# KiCad board AsicsBoard - 16xBM1368 - 01A.kicad_pcb (continued)
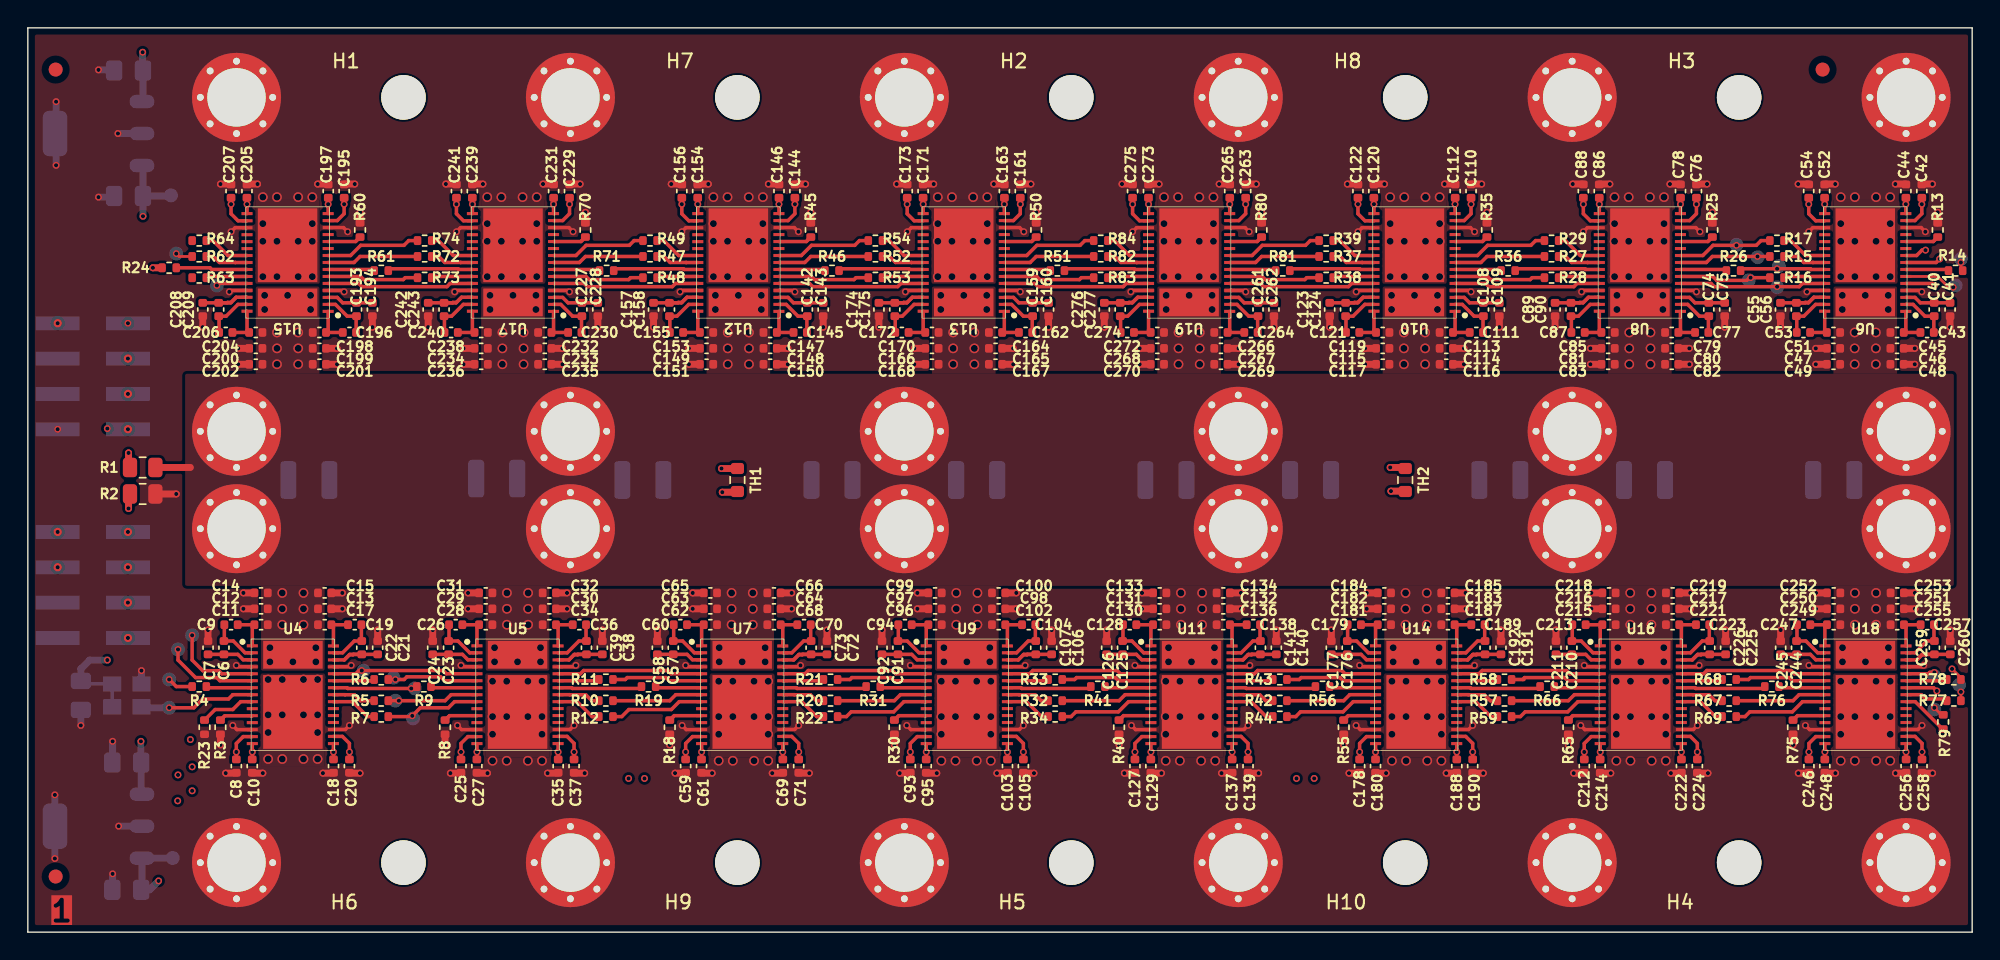
[diagram p0: board, top side]
## Routing (per net, layer and track width the routed paths; a pad name or vN(x,y) marks a point on that pad's centre or on a via; arc(x,y) is an arc through that point) (continued)
/ASICs/ASICs_BM1368_1/BM1368-0/BI: length 4
  Top w0.25: U4.9 15.3,16.57 14.73,16 13.46,16 R23.2
/ASICs/ASICs_BM1368_1/BM1368-7/BO: length 37.7
  Top w0.2: 137.54,15.62 v1(137.03,16.13)
  Top w0.25: v1(136.4,49.02) 136.14,49.02 135.76,48.64 134.98,48.64
  In3.Cu w0.2: v1(137.03,16.13) 135.72,17.44 135.72,21.04 138.5,23.82 138.5,39.43 137.61,40.31 137.61,46.92 136.4,48.13 v1(136.4,49.02)
/ASICs/ASICs_BM1368_1/BM1368-7/CLKO: length 35.6
  Top w0.2: v1(138.94,17.27) 138.94,17.27 R77.2
  Top w0.25: v1(137.41,48.39) 137.16,48.13 U6.8
  In2.Cu w0.2: v1(138.94,17.27) 139.35,17.68 139.35,46.96 138.73,47.58 138.71,47.58 137.91,48.39 v1(137.41,48.39)
/ASICs/ASICs_BM1368_1/BM1368-7/CO: length 33.2
  Top w0.2: 138.94,18.29 v1(138.3,18.92) ; v1(138.39,46.36) 138.05,46.36 137.28,47.13 U6.6
  In2.Cu w0.2: v1(138.3,18.92) 138.3,19.05 137.55,19.8 137.55,22.62 138.94,24 138.94,45.81 v1(138.39,46.36)
/ASICs/ASICs_BM1368_1/BM1368-7/RI: length 34.3
  Top w0.2: v1(138.94,48.13) 138.94,47.68
  Top w0.25: U18.24 136.98,17.57 v1(137.21,17.34)
  In3.Cu w0.2: v1(137.21,17.34) 137.67,17.8 137.67,19.81 138.94,21.08 v1(138.94,48.13)
/ASICs/ASICs_BM1368_1/BM1368-7/RSTO_n: length 33.2
  Top w0.25: v1(137.03,18.67) 136.69,18.67 136.6,18.58 U18.26 ; U6.5 136.89,46.63 v1(137.03,46.48)
  In2.Cu w0.2: v1(137.03,46.48) 137.54,45.97 137.54,42.04 138.5,41.08 138.5,24.2 137.03,22.73 v1(137.03,18.67)
/ASICs/ASICs_BM1368_1/BO1: length 6.8
  Top w0.25: U5.9 30.67,16.57 30.23,16.13 28.21,16.13 v1(27.63,15.55) 27.58,15.49 R7.2
/ASICs/ASICs_BM1368_1/BO2: length 6.8
  Top w0.25: U7.9 46.82,16.57 46.25,16 43.2,16 42.69,15.49 R12.2
/ASICs/ASICs_BM1368_1/BO3: length 6.8
  Top w0.25: R22.2 58.84,15.49 59.18,15.84 62.24,15.84 62.97,16.57 U9.9
/ASICs/ASICs_BM1368_1/BO4: length 6.8
  Top w0.25: U11.9 79.11,16.57 78.38,15.84 75.33,15.84 74.98,15.49 R34.2
/ASICs/ASICs_BM1368_1/BO5: length 6.8
  Top w0.25: U14.9 95.26,16.57 94.53,15.84 91.47,15.84 91.13,15.49 R44.2
/ASICs/ASICs_BM1368_1/BO6: length 6.8
  Top w0.25: R59.2 107.28,15.49 107.62,15.84 110.68,15.84 111.41,16.57 U16.9
/ASICs/ASICs_BM1368_1/BO7: length 6.8
  Top w0.25: R69.2 123.43,15.49 123.77,15.84 126.82,15.84 127.56,16.57 U18.9
/ASICs/ASICs_BM1368_1/CLKO1: length 6.6
  Top w0.25: U5.8 30.42,17.07 29.99,16.64 v1(26.67,16.64) R5.2
/ASICs/ASICs_BM1368_1/CLKO2: length 6.6
  Top w0.25: U7.8 46.57,17.07 46.14,16.64 R10.2
/ASICs/ASICs_BM1368_1/CLKO3: length 6.6
  Top w0.25: U9.8 62.72,17.07 62.28,16.64 R20.2
/ASICs/ASICs_BM1368_1/CLKO4: length 6.6
  Top w0.25: R32.2 78.43,16.64 78.86,17.07 U11.8
/ASICs/ASICs_BM1368_1/CLKO5: length 6.6
  Top w0.25: R42.2 94.58,16.64 95.01,17.07 U14.8
/ASICs/ASICs_BM1368_1/CLKO6: length 6.6
  Top w0.25: R57.2 110.73,16.64 111.16,17.07 U16.8
/ASICs/ASICs_BM1368_1/CLKO7: length 6.6
  Top w0.25: R67.2 126.87,16.64 127.31,17.07 U18.8
/ASICs/ASICs_BM1368_1/CO1: length 6.6
  Top w0.25: 32.28,18.07 29.95,18.07 29.67,18.36 27.25,18.36 27.05,18.16 v1(26.42,18.16) R6.2
/ASICs/ASICs_BM1368_1/CO2: length 6.5
  Top w0.25: R11.2 42.94,18.16 43.08,18.3 45.87,18.3 46.1,18.07 48.43,18.07
/ASICs/ASICs_BM1368_1/CO3: length 6.5
  Top w0.25: R21.2 59.09,18.16 59.23,18.3 62.02,18.3 62.25,18.07 64.58,18.07
/ASICs/ASICs_BM1368_1/CO4: length 6.5
  Top w0.25: R33.2 75.24,18.16 75.38,18.3 78.17,18.3 78.39,18.07 80.72,18.07
/ASICs/ASICs_BM1368_1/CO5: length 6.5
  Top w0.25: 96.87,18.07 94.54,18.07 94.31,18.3 91.52,18.3 91.39,18.16 R43.2
/ASICs/ASICs_BM1368_1/CO6: length 6.6
  Top w0.25: R58.2 107.53,18.16 ; 107.44,18.16 107.58,18.3 110.46,18.3 110.69,18.07 113.02,18.07
/ASICs/ASICs_BM1368_1/CO7: length 6.5
  Top w0.25: R68.2 123.68,18.16 123.82,18.3 126.61,18.3 126.83,18.07 129.16,18.07
/ASICs/ASICs_BM1368_1/RI1: length 5.9
  Top w0.25: U4.24 22.94,17.57 23,17.52 v1(27.56,17.52) 27.82,17.52
/ASICs/ASICs_BM1368_1/RI02: length 5.9
  Top w0.25: 43.97,17.52 39.14,17.52 39.09,17.57 U5.24
/ASICs/ASICs_BM1368_1/RI3: length 5.9
  Top w0.25: 60.12,17.52 55.29,17.52 55.24,17.57 U7.24
/ASICs/ASICs_BM1368_1/RI4: length 5.9
  Top w0.25: U9.24 71.38,17.57 71.44,17.52 76.26,17.52
/ASICs/ASICs_BM1368_1/RI5: length 5.9
  Top w0.25: U11.24 87.53,17.57 87.59,17.52 92.41,17.52
/ASICs/ASICs_BM1368_1/RI6: length 5.9
  Top w0.25: U14.24 103.68,17.57 103.73,17.52 108.56,17.52
/ASICs/ASICs_BM1368_1/RI7: length 5.9
  Top w0.25: U16.24 119.82,17.57 119.88,17.52 124.7,17.52
/ASICs/ASICs_BM1368_1/RSTO1: length 10.5
  Top w0.25: U4.26 23.57,18.58 23.8,18.81 v1(24,18.81) 29.85,18.81 30.09,18.58 U5.5
/ASICs/ASICs_BM1368_1/RSTO2: length 10.5
  Top w0.25: U7.5 46.23,18.58 46,18.81 39.95,18.81 39.71,18.58 U5.26
/ASICs/ASICs_BM1368_1/RSTO3: length 10.5
  Top w0.25: U7.26 55.86,18.58 56.09,18.81 62.15,18.81 62.38,18.58 U9.5
/ASICs/ASICs_BM1368_1/RSTO4: length 10.5
  Top w0.25: U9.26 72.01,18.58 72.24,18.81 78.3,18.81 78.53,18.58 U11.5
/ASICs/ASICs_BM1368_1/RSTO5: length 10.5
  Top w0.25: U11.26 88.16,18.58 88.39,18.81 94.44,18.81 94.67,18.58 U14.5
/ASICs/ASICs_BM1368_1/RSTO6: length 10.5
  Top w0.25: U14.26 104.3,18.58 104.53,18.81 110.59,18.81 110.82,18.58 U16.5
/ASICs/ASICs_BM1368_1/RSTO7: length 10.5
  Top w0.25: U16.26 120.45,18.58 120.68,18.81 126.74,18.81 126.97,18.58 U18.5
/ASICs/ASICs_BM1368_2/BM1368-7/CLKO: length 1.2
  Top w0.2: v1(10.67,48.77) 10.87,48.56 R62.2
/ASICs/ASICs_BM1368_2/BM1368-7/RI: length 5.1
  Top w0.25: U15.24 13.22,47.63 13.09,47.75 R24.2
/ASICs/ASICs_BM1368_2/BM1368-7/RSTO_n: length 2.2
  Top w0.25: v1(13.59,46.48) 13.73,46.63 U15.26
/ASICs/ASICs_BM1368_2/BO1: length 6.9
  Top w0.25: R17.2 124.57,49.71 124.23,49.36 v1(122.81,49.36) 121.12,49.36 120.39,48.64 118.78,48.64
/ASICs/ASICs_BM1368_2/BO2: length 6.9
  Top w0.25: R29.2 108.37,49.71 108.03,49.36 104.92,49.36 104.19,48.64 102.58,48.64
/ASICs/ASICs_BM1368_2/BO3: length 6.9
  Top w0.25: 86.38,48.64 87.99,48.64 88.72,49.36 91.83,49.36 92.17,49.71 R39.2
/ASICs/ASICs_BM1368_2/BO4: length 6.9
  Top w0.25: 70.18,48.64 71.79,48.64 72.52,49.36 75.63,49.36 75.98,49.71 R84.2
/ASICs/ASICs_BM1368_2/BO5: length 6.9
  Top w0.25: R54.2 59.78,49.71 59.43,49.36 56.32,49.36 55.59,48.64 53.99,48.64
/ASICs/ASICs_BM1368_2/BO6: length 6.9
  Top w0.25: R49.2 43.58,49.71 43.23,49.36 40.13,49.36 39.4,48.64 37.79,48.64
/ASICs/ASICs_BM1368_2/BO7: length 6.9
  Top w0.25: 21.59,48.64 23.2,48.64 23.93,49.36 27.03,49.36 27.38,49.71 R74.2
/ASICs/ASICs_BM1368_2/CLKO1: length 6.6
  Top w0.25: R15.2 v1(124.32,48.56) 121.07,48.56 120.64,48.13 U8.8
/ASICs/ASICs_BM1368_2/CLKO2: length 6.6
  Top w0.25: R27.2 104.87,48.56 104.44,48.13 U10.8
/ASICs/ASICs_BM1368_2/CLKO3: length 6.6
  Top w0.25: R37.2 88.68,48.56 88.24,48.13 U19.8
/ASICs/ASICs_BM1368_2/CLKO4: length 6.6
  Top w0.25: U13.8 72.04,48.13 72.48,48.56 R82.2
/ASICs/ASICs_BM1368_2/CLKO5: length 6.6
  Top w0.25: R52.2 56.28,48.56 55.84,48.13 U12.8
/ASICs/ASICs_BM1368_2/CLKO6: length 6.6
  Top w0.25: U17.8 39.65,48.13 40.08,48.56 R47.2
/ASICs/ASICs_BM1368_2/CLKO7: length 6.6
  Top w0.25: R72.2 23.88,48.56 23.45,48.13 U15.8
/ASICs/ASICs_BM1368_2/CO1: length 6.6
  Top w0.25: 125.21,47.04 v1(123.82,47.04) 123.75,47.04 123.55,46.85 121.4,46.85 121.11,47.13 U8.6
/ASICs/ASICs_BM1368_2/CO2: length 6.6
  Top w0.25: 109.01,47.04 108.12,47.04 107.98,46.9 105.14,46.9 104.91,47.13 U10.6
/ASICs/ASICs_BM1368_2/CO3: length 6.6
  Top w0.25: 92.81,47.04 91.92,47.04 91.78,46.9 88.94,46.9 88.71,47.13 U19.6
/ASICs/ASICs_BM1368_2/CO4: length 6.6
  Top w0.25: 76.61,47.04 75.72,47.04 75.58,46.9 72.74,46.9 72.51,47.13 U13.6
/ASICs/ASICs_BM1368_2/CO5: length 6.6
  Top w0.25: 60.41,47.04 59.52,47.04 59.38,46.9 56.54,46.9 56.32,47.13 U12.6
/ASICs/ASICs_BM1368_2/CO6: length 6.6
  Top w0.25: 44.21,47.04 43.32,47.04 43.19,46.9 40.34,46.9 40.12,47.13 U17.6
/ASICs/ASICs_BM1368_2/CO7: length 6.6
  Top w0.25: U15.6 23.92,47.13 24.14,46.9 26.99,46.9 27.12,47.04 28.01,47.04
/ASICs/ASICs_BM1368_2/RI1: length 5.9
  Top w0.25: U6.24 128.17,47.63 128.12,47.69 v1(125.73,47.69) 123.24,47.69
/ASICs/ASICs_BM1368_2/RI02: length 5.9
  Top w0.25: U8.24 111.97,47.63 111.92,47.69 107.04,47.69
/ASICs/ASICs_BM1368_2/RI3: length 5.9
  Top w0.25: 90.84,47.69 95.72,47.69 95.78,47.63 U10.24
/ASICs/ASICs_BM1368_2/RI4: length 5.9
  Top w0.25: 74.64,47.69 79.52,47.69 79.58,47.63 U19.24
/ASICs/ASICs_BM1368_2/RI5: length 5.9
  Top w0.25: U13.24 63.38,47.63 63.32,47.69 58.45,47.69
/ASICs/ASICs_BM1368_2/RI6: length 5.9
  Top w0.25: 42.25,47.69 47.12,47.69 47.18,47.63 U12.24
/ASICs/ASICs_BM1368_2/RI7: length 5.9
  Top w0.25: 26.05,47.69 30.92,47.69 30.98,47.63 U17.24
/ASICs/ASICs_BM1368_2/RSTO1: length 10.6
  Top w0.25: U6.26 127.55,46.63 127.32,46.39 v1(125.73,46.39) 125.73,46.4 121.21,46.4 120.98,46.63 U8.5
/ASICs/ASICs_BM1368_2/RSTO2: length 10.6
  Top w0.25: U8.26 111.35,46.63 111.12,46.4 105.01,46.4 104.78,46.63 U10.5
/ASICs/ASICs_BM1368_2/RSTO3: length 10.6
  Top w0.25: U19.5 88.58,46.63 88.81,46.4 94.92,46.4 95.15,46.63 U10.26
/ASICs/ASICs_BM1368_2/RSTO4: length 10.6
  Top w0.25: U13.5 72.38,46.63 72.61,46.4 78.72,46.4 78.95,46.63 U19.26
/ASICs/ASICs_BM1368_2/RSTO5: length 10.6
  Top w0.25: U13.26 62.75,46.63 62.52,46.4 56.41,46.4 56.18,46.63 U12.5
/ASICs/ASICs_BM1368_2/RSTO6: length 10.6
  Top w0.25: U17.5 39.98,46.63 40.21,46.4 46.32,46.4 46.55,46.63 U12.26
/ASICs/ASICs_BM1368_2/RSTO7: length 10.6
  Top w0.25: U15.5 23.78,46.63 24.01,46.4 30.12,46.4 30.35,46.63 U17.26
/CI: length 29.1
  Top w0.25: 16.13,18.07 13.8,18.07 13.58,18.3 12.06,18.3 10.8,19.56 v1(10.8,20.32)
  In2.Cu w0.25: v1(10.8,20.32) 9.4,21.72 9.4,39.03 v2(7.19,41.23)
/CLKI: length 8.3
  Top w0.25: v1(10.16,16.13) 11.94,16.13 12.57,16.76 14.43,16.76 14.73,17.07 U4.8
  Bottom w0.5: v1(10.16,16.13) 8.23,16.13
/CTN1: length 79.7
  Top w0.5: 51.05,31.62 v1(49.91,31.62)
  In2.Cu w0.2: v1(44.32,11.05) 43.29,10.01 42.71,10.01 13.11,10.01 13.09,10.03 13.08,10.03 11.81,11.3 v1(10.8,11.3)
  In3.Cu w0.2: v1(49.91,31.62) 44.32,26.03 v1(44.32,11.05) ; v2(7.19,23.69) 2.54,19.03 2.54,13.73 4.97,11.3 v1(10.8,11.3)
/CTN1_RTN: length 77.8
  Top w0.5: TH1.2 v1(49.86,33.33)
  In2.Cu w0.2: 11.81,11.88 13.28,10.41 42.55,10.41 v1(43.18,11.05)
  In3.Cu w0.2: v1(11.81,11.88) 4.96,11.88 2.94,13.9 2.94,17.97 6.12,21.15 v2(7.19,21.15) ; v1(43.18,11.05) 43.18,26.64 v1(49.86,33.33)
/CTN2: length 135.8
  Top w0.5: 99.11,31.7 v1(97.97,31.7)
  In2.Cu w0.2: v1(10.77,9.44) 11,9.21 90.62,9.21 v1(92.46,11.05)
  In3.Cu w0.2: v1(10.77,9.44) 4.78,9.44 1.27,12.95 1.27,22.84 v2(7.19,28.77) ; v1(92.46,11.05) 92.46,26.18 v1(97.97,31.7)
/CTN2_RTN: length 133.2
  Top w0.5: 99.06,33.4 v1(97.92,33.4)
  In2.Cu w0.2: v1(11.81,10.16) 12.36,9.61 89.75,9.61 v1(91.19,11.05)
  In3.Cu w0.2: v1(11.81,10.16) 4.63,10.16 1.67,13.12 1.67,20.7 v2(7.19,26.23) ; v1(97.92,33.4) 91.19,26.67 v1(91.19,11.05)
/RO: length 23.6
  Top w0.25: R4.2 10.67,17.65 v1(10.16,18.16)
  In2.Cu w0.25: v2(7.19,38.69) 8.38,37.5 8.38,19.94 v1(10.16,18.16)
/RSTIn: length 30.9
  Top w0.25: v1(11.81,21.34) 11.81,19.56 12.57,18.8 13.72,18.8 13.94,18.58 U4.5
  In2.Cu w0.25: v1(7.19,43.77) 9.91,41.06 9.91,23.24 v1(11.81,21.34)
/VSN: length 7.9
  Top w0.5: 7.24,31.48 v1(7.24,30.45)
  In3.Cu w0.5: v2(2.14,26.23) 6.37,30.45 v1(7.24,30.45)
/VSP: length 8.8
  Top w0.5: 7.24,33.42 v1(7.24,34.44)
  In3.Cu w0.5: v2(2.14,28.77) 7.24,33.86 v1(7.24,34.44)
VPWR_ASIC: length 2.4
  Top w0.5: 9.25,33.4 11.68,33.4
  vias: v3(17.02,45.77) v3(17.02,44.75) v3(17.4,20.45) v3(17.4,19.43) v3(17.91,43.1) v3(17.91,41.96) v3(17.91,40.82) v3(18.29,24.38) v3(18.29,23.24) v3(18.29,22.1) v3(18.67,45.77) v3(19.05,19.43) v3(19.43,43.1) v3(19.43,41.96) v3(19.43,40.82) v3(19.81,24.38) v3(19.81,23.24) v3(19.81,22.1) v3(20.32,45.77) v3(20.32,44.75) v3(20.7,20.45) v3(20.7,19.43) v3(33.22,45.77) v3(33.22,44.75) v3(33.55,20.45) v3(33.55,19.43) v3(34.11,43.1) v3(34.11,41.96) v3(34.11,40.82) v3(34.44,24.38) v3(34.44,23.24) v3(34.44,22.1) v3(34.87,45.77) v3(35.2,19.43) v3(35.63,43.1) v3(35.63,41.96) v3(35.63,40.82) v3(35.96,24.38) v3(35.96,23.24) v3(35.96,22.1) v3(36.52,45.77) v3(36.52,44.75) v3(36.85,20.45) v3(36.85,19.43) v3(49.42,45.77) v3(49.42,44.75) v3(49.69,20.45) v3(49.69,19.43) v3(50.31,43.1) v3(50.31,41.96) v3(50.31,40.82) v3(50.58,24.38) v3(50.58,23.24) v3(50.58,22.1) v3(51.07,45.77) v3(51.34,19.43) v3(51.83,43.1) v3(51.83,41.96) v3(51.83,40.82) v3(52.11,24.38) v3(52.11,23.24) v3(52.11,22.1) v3(52.72,45.77) v3(52.72,44.75) v3(53,20.45) v3(53,19.43) v3(65.62,45.77) v3(65.62,44.75) v3(65.84,20.45) v3(65.84,19.43) v3(66.51,43.1) v3(66.51,41.96) v3(66.51,40.82) v3(66.73,24.38) v3(66.73,23.24) v3(66.73,22.1) v3(67.27,45.77) v3(67.49,19.43) v3(68.03,43.1) v3(68.03,41.96) v3(68.03,40.82) v3(68.25,24.38) v3(68.25,23.24) v3(68.25,22.1) v3(68.92,45.77) v3(68.92,44.75) v3(69.14,20.45) v3(69.14,19.43) v3(81.82,45.77) v3(81.82,44.75) v3(81.99,20.45) v3(81.99,19.43) v3(82.71,43.1) v3(82.71,41.96) v3(82.71,40.82) v3(82.88,24.38) v3(82.88,23.24) v3(82.88,22.1) v3(83.47,45.77) v3(83.64,19.43) v3(84.23,43.1) v3(84.23,41.96) v3(84.23,40.82) v3(84.4,24.38) v3(84.4,23.24) v3(84.4,22.1) v3(85.12,45.77) v3(85.12,44.75) v3(85.29,20.45) v3(85.29,19.43) v3(98.02,45.77) v3(98.02,44.75) v3(98.13,20.45) v3(98.13,19.43) v3(98.91,43.1) v3(98.91,41.96) v3(98.91,40.82) v3(99.02,24.38) v3(99.02,23.24) v3(99.02,22.1) v3(99.67,45.77) v3(99.79,19.43) v3(100.43,43.1) v3(100.43,41.96) v3(100.43,40.82) v3(100.55,24.38) v3(100.55,23.24) v3(100.55,22.1) v3(101.32,45.77) v3(101.32,44.75) v3(101.44,20.45) v3(101.44,19.43) v3(114.22,45.77) v3(114.22,44.75) v3(114.28,20.45) v3(114.28,19.43) v3(115.1,43.1) v3(115.1,41.96) v3(115.1,40.82) v3(115.17,24.38) v3(115.17,23.24) v3(115.17,22.1) v3(115.87,45.77) v3(115.93,19.43) v3(116.63,43.1) v3(116.63,41.96) v3(116.63,40.82) v3(116.69,24.38) v3(116.69,23.24) v3(116.69,22.1) v3(117.52,45.77) v3(117.52,44.75) v3(117.58,20.45) v3(117.58,19.43) v3(130.42,45.77) v3(130.42,44.75) v3(130.43,20.45) v3(130.43,19.43) v3(131.3,43.1) v3(131.3,41.96) v3(131.3,40.82) v3(131.32,24.38) v3(131.32,23.24) v3(131.32,22.1) v3(132.07,45.77) v3(132.08,19.43) v3(132.83,43.1) v3(132.83,41.96) v3(132.83,40.82) v3(132.84,24.38) v3(132.84,23.24) v3(132.84,22.1) v3(133.72,45.77) v3(133.72,44.75) v3(133.73,20.45) v3(133.73,19.43)
Net-(U4-BO): length 3.4
  Top w0.25: U4.22 23.34,16.57 24.41,15.49 R7.1
Net-(U4-CLKO): length 3.1
  Top w0.25: U4.23 22.81,17.07 22.81,17.07 23.48,17.07 23.91,16.64 R5.1
Net-(U4-CO): length 2.8
  Top w0.25: 21.97,18.07 24.8,18.07
Net-(U4-LITE_PAD): length 2.8
  Top w0.25: U4.11 16.12,15.55 14.15,15.55 R3.1 ; 13.85,15.24 14.1,15.49
Net-(U4-RO): length 3.2
  Top w0.25: U4.7 12.91,17.57
Net-(U5-BO): length 3.4
  Top w0.25: R12.1 40.56,15.49 39.49,16.57 U5.22
Net-(U5-CLKO): length 3.1
  Top w0.25: U5.23 38.95,17.07 38.96,17.07 40.1,17.07 40.53,16.64 R10.1
Net-(U5-CO): length 2.8
  Top w0.25: 38.11,18.07 40.95,18.07
Net-(U5-LITE_PAD): length 2.8
  Top w0.25: U5.11 30.31,15.56 R8.1 ; 29.99,15.24 30.25,15.49
Net-(U5-RO): length 3.2
  Top w0.25: U5.7 29.06,17.57
Net-(U6-BO): length 3.4
  Top w0.25: R17.1 126.7,49.71 127.78,48.64 129.15,48.64
Net-(U6-CLKO): length 3.1
  Top w0.25: U6.23 128.31,48.13 128.31,48.14 127.64,48.14 127.21,48.56 R15.1
Net-(U6-CO): length 2.8
  Top w0.25: U6.25 126.31,47.13
Net-(U6-LITE_PAD): length 2.8
  Top w0.25: 137.27,49.96 137.02,49.71 ; U6.11 136.95,49.64 R13.1
Net-(U6-RO): length 3
  Top w0.25: U6.7 137.97,47.63
Net-(U7-BO): length 3.4
  Top w0.25: U7.22 55.63,16.57 56.71,15.49 R22.1
Net-(U7-CLKO): length 3.1
  Top w0.25: U7.23 55.1,17.07 55.1,17.07 56.25,17.07 56.68,16.64 R20.1
Net-(U7-CO): length 2.8
  Top w0.25: 54.26,18.07 57.1,18.07
Net-(U7-LITE_PAD): length 2.8
  Top w0.25: R18.1 46.46,15.56 U7.11 ; 46.14,15.24 46.39,15.49
Net-(U7-RO): length 3.2
  Top w0.25: U7.7 45.21,17.57
Net-(U8-BO): length 3.4
  Top w0.25: R29.1 110.5,49.71 111.58,48.64 112.95,48.64
Net-(U8-CLKO): length 3.1
  Top w0.25: R27.1 110.53,48.56 110.96,48.14 112.11,48.14 112.11,48.13 U8.23
Net-(U8-CO): length 2.8
  Top w0.25: U8.25 110.11,47.13
Net-(U8-LITE_PAD): length 2.8
  Top w0.25: 121.07,49.96 120.82,49.71 ; R25.1 120.75,49.64 U8.11
Net-(U8-RO): length 3.2
  Top w0.25: U8.7 122,47.63
Net-(U9-BO): length 3.4
  Top w0.25: R34.1 72.85,15.49 71.78,16.57 U9.22
Net-(U9-CLKO): length 3.1
  Top w0.25: U9.23 71.25,17.07 71.25,17.07 72.4,17.07 72.83,16.64 R32.1
Net-(U9-CO): length 2.8
  Top w0.25: 70.41,18.07 73.24,18.07
Net-(U9-LITE_PAD): length 2.8
  Top w0.25: U9.11 62.61,15.56 R30.1 ; 62.29,15.24 62.54,15.49
Net-(U9-RO): length 3.2
  Top w0.25: U9.7 61.35,17.57
Net-(U10-BO): length 3.4
  Top w0.25: R39.1 94.31,49.71 95.38,48.64 96.75,48.64
Net-(U10-CLKO): length 3.1
  Top w0.25: U10.23 95.91,48.13 95.91,48.14 94.76,48.14 94.33,48.56 R37.1
Net-(U10-CO): length 2.8
  Top w0.25: U10.25 93.92,47.13
Net-(U10-LITE_PAD): length 2.8
  Top w0.25: U10.11 104.55,49.64 R35.1 ; 104.87,49.96 104.62,49.71
Net-(U10-RO): length 3.2
  Top w0.25: U10.7 105.8,47.63
Net-(U11-BO): length 3.4
  Top w0.25: U11.22 87.93,16.57 89,15.49 R44.1
Net-(U11-CLKO): length 3.1
  Top w0.25: R42.1 88.97,16.64 88.54,17.07 87.4,17.07 87.4,17.07 U11.23
Net-(U11-CO): length 2.8
  Top w0.25: 86.55,18.07 89.39,18.07
Net-(U11-LITE_PAD): length 2.8
  Top w0.25: U11.11 78.75,15.56 R40.1 ; 78.44,15.24 78.69,15.49
Net-(U11-RO): length 3.2
  Top w0.25: U11.7 77.5,17.57
Net-(U12-BO): length 3.4
  Top w0.25: 48.15,48.64 46.78,48.64 45.71,49.71 R49.1
Net-(U12-CLKO): length 3.1
  Top w0.25: U12.23 47.31,48.13 47.31,48.14 46.16,48.14 45.74,48.56 R47.1
Net-(U12-CO): length 2.8
  Top w0.25: U12.25 45.32,47.13
Net-(U12-LITE_PAD): length 2.8
  Top w0.25: R45.1 55.96,49.64 U12.11 ; 56.27,49.96 56.02,49.71
Net-(U12-RO): length 3.2
  Top w0.25: U12.7 57.21,47.63
Net-(U13-BO): length 3.4
  Top w0.25: R54.1 61.91,49.71 62.98,48.64 64.35,48.64
Net-(U13-CLKO): length 3.1
  Top w0.25: R52.1 61.93,48.56 62.36,48.14 63.51,48.14 63.51,48.13 U13.23
Net-(U13-CO): length 2.8
  Top w0.25: U13.25 61.52,47.13
Net-(U13-LITE_PAD): length 2.8
  Top w0.25: R50.1 72.15,49.64 U13.11 ; 72.47,49.96 72.22,49.71
Net-(U13-RO): length 3.2
  Top w0.25: U13.7 73.41,47.63
Net-(U14-BO): length 3.4
  Top w0.25: R59.1 105.15,15.49 104.08,16.57 U14.22
Net-(U14-CLKO): length 3.1
  Top w0.25: R57.1 105.12,16.64 104.69,17.07 103.55,17.07 103.54,17.07 U14.23
Net-(U14-CO): length 2.8
  Top w0.25: 102.7,18.07 105.54,18.07
Net-(U14-LITE_PAD): length 2.8
  Top w0.25: U14.11 94.9,15.56 R55.1 ; 94.58,15.24 94.83,15.49
Net-(U14-RO): length 3.2
  Top w0.25: U14.7 93.65,17.57
Net-(U15-BO): length 3.4
  Top w0.25: 15.75,48.64 14.38,48.64 13.31,49.71 R64.1
Net-(U15-CLKO): length 3.1
  Top w0.25: R62.1 13.34,48.56 13.77,48.14 14.91,48.14 14.91,48.13 U15.23
Net-(U15-CO): length 2.8
  Top w0.25: U15.25 12.92,47.13
Net-(U15-LITE_PAD): length 2.8
  Top w0.25: U15.11 23.56,49.64 R60.1 ; 23.87,49.96 23.62,49.71
Net-(U15-RO): length 3.2
  Top w0.25: U15.7 24.81,47.63
Net-(U16-BO): length 3.4
  Top w0.25: U16.22 120.22,16.57 121.3,15.49 R69.1
Net-(U16-CLKO): length 3.1
  Top w0.25: U16.23 119.69,17.07 119.69,17.07 120.84,17.07 121.27,16.64 R67.1
Net-(U16-CO): length 2.8
  Top w0.25: 118.85,18.07 121.68,18.07
Net-(U16-LITE_PAD): length 2.8
  Top w0.25: R65.1 111.05,15.56 U16.11 ; 110.73,15.24 110.98,15.49
Net-(U16-RO): length 3.2
  Top w0.25: U16.7 109.8,17.57
Net-(U17-BO): length 3.4
  Top w0.25: 31.95,48.64 30.58,48.64 29.51,49.71 R74.1
Net-(U17-CLKO): length 3.1
  Top w0.25: U17.23 31.11,48.13 31.11,48.14 29.97,48.14 29.54,48.56 R72.1
Net-(U17-CO): length 2.8
  Top w0.25: U17.25 29.12,47.13
Net-(U17-LITE_PAD): length 2.8
  Top w0.25: U17.11 39.76,49.64 R70.1 ; 40.07,49.96 39.82,49.71
Net-(U17-RO): length 3.2
  Top w0.25: U17.7 41.01,47.63
Net-(U18-BO): length 3.4
  Top w0.25: 137.62,14.6 135.66,16.57 U18.22
Net-(U18-CLKO): length 3.1
  Top w0.25: 137.92,16.76 136.4,16.76 136.09,17.07 U18.23
Net-(U18-CO): length 2.8
  Top w0.25: 135,18.07 137.83,18.07
Net-(U18-LITE_PAD): length 2.8
  Top w0.25: R75.1 127.19,15.56 U18.11 ; 126.88,15.24 127.13,15.49
Net-(U18-RO): length 3.2
  Top w0.25: U18.7 125.94,17.57
Net-(U19-BO): length 3.4
  Top w0.25: R84.1 78.11,49.71 79.18,48.64 80.55,48.64
Net-(U19-CLKO): length 3.1
  Top w0.25: R82.1 78.13,48.56 78.56,48.14 79.71,48.14 79.71,48.13 U19.23
Net-(U19-CO): length 2.8
  Top w0.25: U19.25 77.72,47.13
Net-(U19-LITE_PAD): length 2.8
  Top w0.25: 88.67,49.96 88.42,49.71 ; U19.11 88.35,49.64 R80.1
Net-(U19-RO): length 3.2
  Top w0.25: U19.7 89.61,47.63

## Copper pours and planes (outline as drawn; the poured copper is in the pictures)
GND on Top: 129.79,18.54 134.37,18.54 134.37,12.57 129.79,12.57
GND on Top: 101.95,46.66 97.38,46.66 97.38,52.63 101.95,52.63
GND on Top: 85.75,46.66 81.18,46.66 81.18,52.63 85.75,52.63
GND on Top: 53.36,46.66 48.78,46.66 48.78,52.63 53.36,52.63
GND on Top: 32.91,18.54 37.48,18.54 37.48,12.57 32.91,12.57
GND on Top: 81.35,18.54 85.92,18.54 85.92,12.57 81.35,12.57
GND on Top: 37.16,46.66 32.58,46.66 32.58,52.63 37.16,52.63
GND on Top: 49.06,18.54 53.63,18.54 53.63,12.57 49.06,12.57
GND on Top: 20.96,46.66 16.39,46.66 16.39,52.63 20.96,52.63
GND on Top: 69.55,46.66 64.98,46.66 64.98,52.63 69.55,52.63
GND on Top: 118.15,46.66 113.58,46.66 113.58,52.63 118.15,52.63
GND on Top: 134.35,46.66 129.78,46.66 129.78,52.63 134.35,52.63
GND on Top: 97.5,18.54 102.07,18.54 102.07,12.57 97.5,12.57
GND on Top: 16.76,18.54 21.34,18.54 21.34,11.94 16.76,11.94
GND on Top: 113.65,18.54 118.22,18.54 118.22,12.57 113.65,12.57
GND on Top: 65.21,18.54 69.78,18.54 69.78,12.57 65.21,12.57
GND on Top, Bottom, In1.Cu, In2.Cu, In3.Cu, In4.Cu: 0.51,0.51 139.57,0.51 139.57,64.52 0.51,64.52
VPWR_ASIC on Top, Bottom, In1.Cu, In2.Cu: 32.91,18.8 37.48,18.8 37.48,25.15 32.91,25.15
VPWR_ASIC on Top, Bottom, In1.Cu, In2.Cu: 16.76,18.8 21.34,18.8 21.34,25.15 16.76,25.15
VPWR_ASIC on Top, Bottom, In1.Cu, In2.Cu: 53.36,46.41 48.78,46.41 48.78,40.06 53.36,40.06
VPWR_ASIC on Top, Bottom, In1.Cu, In2.Cu: 134.35,46.41 129.78,46.41 129.78,40.06 134.35,40.06
VPWR_ASIC on Top, Bottom, In1.Cu, In2.Cu: 20.96,46.41 16.39,46.41 16.39,40.06 20.96,40.06
VPWR_ASIC on Top, Bottom, In1.Cu, In2.Cu: 81.35,18.8 85.92,18.8 85.92,25.15 81.35,25.15
VPWR_ASIC on Top, Bottom, In1.Cu, In2.Cu: 113.65,18.8 118.22,18.8 118.22,25.15 113.65,25.15
VPWR_ASIC on Top, Bottom, In1.Cu, In2.Cu: 69.55,46.41 64.98,46.41 64.98,40.06 69.55,40.06
VPWR_ASIC on Top, Bottom, In1.Cu, In2.Cu: 101.95,46.41 97.38,46.41 97.38,40.06 101.95,40.06
VPWR_ASIC on Top, Bottom, In1.Cu, In2.Cu: 129.79,18.8 134.37,18.8 134.37,25.15 129.79,25.15
VPWR_ASIC on Top, Bottom, In1.Cu, In2.Cu: 37.16,46.41 32.58,46.41 32.58,40.06 37.16,40.06
VPWR_ASIC on Top, Bottom, In1.Cu, In2.Cu: 49.06,18.8 53.63,18.8 53.63,25.15 49.06,25.15
VPWR_ASIC on Top, Bottom, In1.Cu, In2.Cu: 85.75,46.41 81.18,46.41 81.18,40.06 85.75,40.06
VPWR_ASIC on Top, Bottom, In1.Cu, In2.Cu: 97.5,18.8 102.07,18.8 102.07,25.15 97.5,25.15
VPWR_ASIC on Top, Bottom, In1.Cu, In2.Cu: 65.21,18.8 69.78,18.8 69.78,25.15 65.21,25.15
VPWR_ASIC on Top, Bottom, In1.Cu, In2.Cu: 118.15,46.41 113.58,46.41 113.58,40.06 118.15,40.06
VPWR_ASIC on Top, In1.Cu, In2.Cu: 11.3,40.13 138.43,40.13 138.43,24.89 11.3,24.89
VPWR_ASIC on Bottom: 83.6,25.6 90.4,25.6 90.4,39.4 83.6,39.4
VPWR_ASIC on Bottom: 107.6,25.6 114.4,25.6 114.4,39.4 107.6,39.4
VPWR_ASIC on Bottom: 131.6,25.6 138.4,25.6 138.4,39.4 131.6,39.4
VPWR_ASIC on Bottom: 59.6,25.6 66.4,25.6 66.4,39.4 59.6,39.4
VPWR_ASIC on Bottom: 35.6,25.6 42.4,25.6 42.4,39.4 35.6,39.4
VPWR_ASIC on Bottom: 11.6,25.6 18.4,25.6 18.4,39.4 11.6,39.4
